# Altium PCB ASCII_LimeSDR-USB_1v4.PcbDoc (part 9 of 10)
Units mm, origin at the board's own origin, x right, y up, seen from the top; angles counter-clockwise.
Board outline 100 x 60 mm, 12 copper layers (Top, L2, L3, L4, L5, L6, L7, L8, L9, L10, L11, Bottom), stack 1.58 mm thick; 858 components, 627 nets, 4063 pads, 2099 vias.
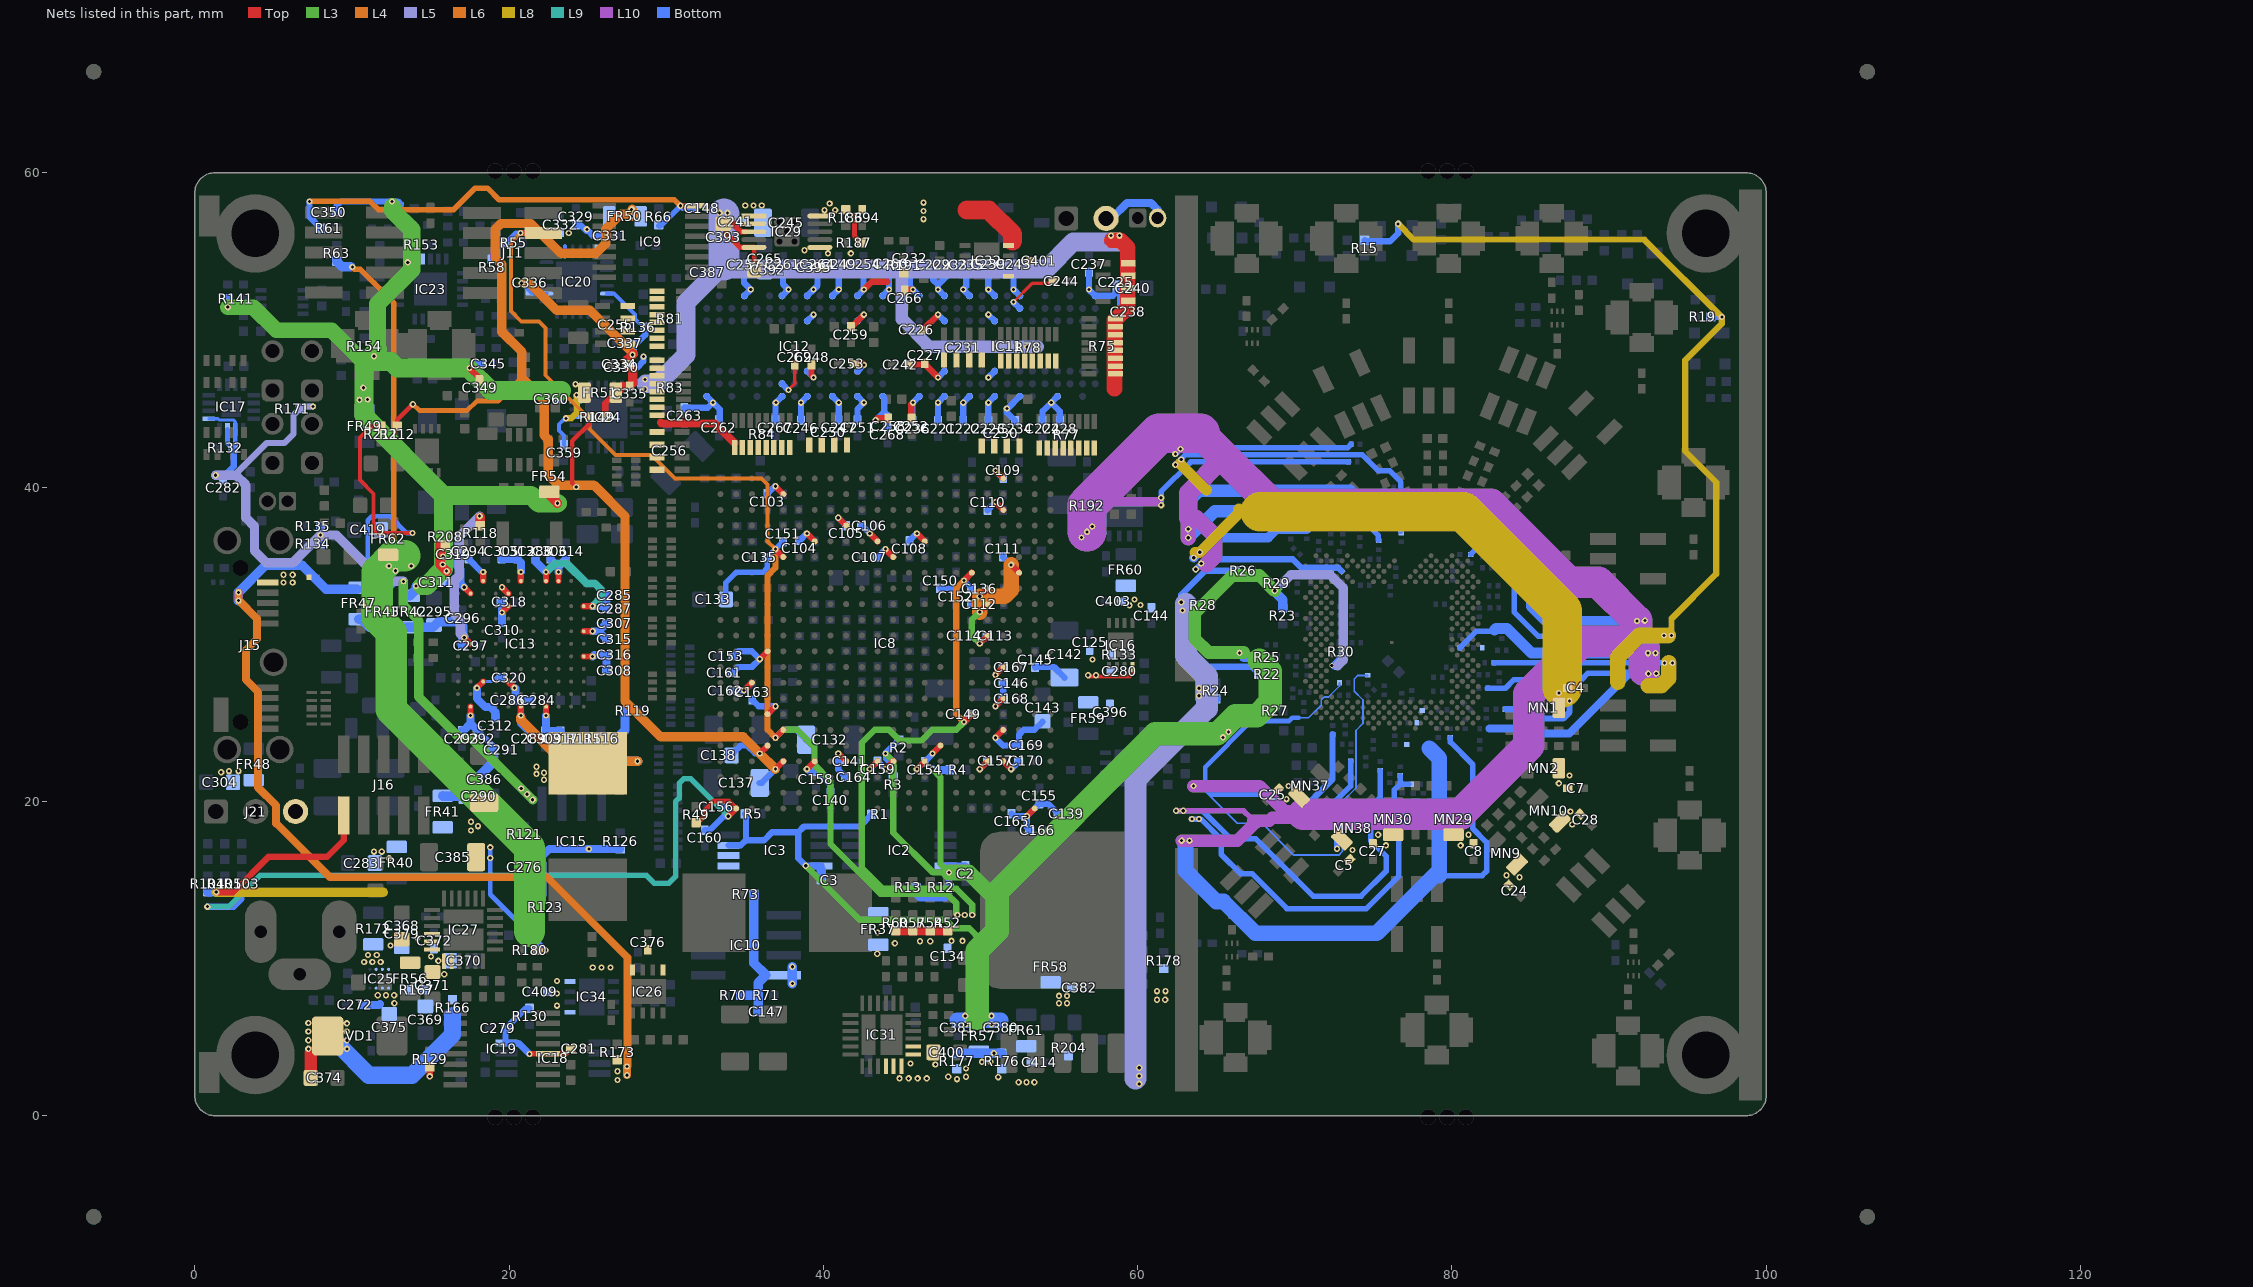
[diagram p17: the nets of this part, all layers, seen from the top]

## Via types
v1: diameter 0.4, hole 0.2, Top to Bottom, tented both sides, 1282 vias
v2: diameter 0.4, hole 0.2, Top to Bottom, tented top, 427 vias
v3: diameter 0.4, hole 0.2, Top to Bottom, 281 vias
v4: diameter 0.31, hole 0.2, Top to Bottom, tented top, 89 vias
v5: diameter 0.5, hole 0.2, Top to Bottom, tented both sides, 20 vias

## Nets (pads, with @x,y where several pads share a name; then routed paths per layer and width w, separated by ;. In a path a pad name is that pad's centre, name@x,y a point inside that pad or via, vN(x,y) a via of type N, cw(c..) or ccw(c..) an arc to the next point about the centre after c; other vN are vias at no path point) (continued)
VCC1P8_DDR2: C221.1 C222.1 C223.1 C224.1 C226.1 C227.1 C228.1 C229.1 C232.1 C233.1 C234.1 C235.1 C236.1 C237.1 C238.1 C239.1 C240.2 C241.2 C242.2 C243.1 C245.2 C246.1 C247.1 C248.1 C249.1 C251.1 C252.1 C253.1 C254.1 C257.1 C258.1 C259.1 C260.1 C261.1 C262.1 C263.1 C264.1 C265.2 C266.2 C267.2 C268.1 C387.2 IC11.A1 IC11.A9 IC11.C1 IC11.C3 IC11.C7 IC11.C9 IC11.E1 IC11.E9 IC11.G1 IC11.G3 IC11.G7 IC11.G9 IC11.J1 IC11.J9 IC11.M9 IC11.R1 IC12.A1 IC12.A9 IC12.C1 IC12.C3 IC12.C7 IC12.C9 IC12.E1 IC12.E9 IC12.G1 IC12.G3 IC12.G7 IC12.G9 IC12.J1 IC12.J9 IC12.M9 IC12.R1 IC29.1 IC29.2 R191.1 | length 70.1
  Top w0.4: C248.1@39.25,47.775 39.25,47.1 v1(39.375,46.975) ; C259.1@41.75,50.2 41.8,50.2 v1(42.575,50.975) ; C253.1@41.975,47.85 42.5,47.85 v1(42.575,47.775) ; v1(42.575,52.575) 43.075,53.075 44.075,53.075 ; v1(43.325,44.25) 43.45,44.375 C258.1@44.125,44.375 ; C266.2@45.175,52.525 45.225,52.575 v1(45.7,52.575) ; C242.2@45.4,47.8 46.475,47.8 v1(47.3,46.975) ; C252.1@45.6,44.375 45.6,45.275 v1(45.7,45.375) ; C226.1@46.4,50 46.4,50.075 v1(47.3,50.975)
  Bottom w0.4: C263.1@31.15,45.05 32.65,45.05 v1(32.975,45.375) ; IC12.R1@32.575,45.775 v1(32.975,45.375) ; C262.1@33.4,44.275 33.4,44.95 v1(32.975,45.375) ; C387.2@33.45,53.675 34.925,53.675 C257.1@34.95,53.65 ; IC12.M9@34.975,52.175 v1(35.375,52.575) 34.95,53 C257.1@34.95,53.65 ; C267.2@36.95,44.275 36.95,45.35 v1(36.975,45.375) IC12.J1@37.375,45.775 ; IC12.J9@37.375,52.175 v1(37.775,52.575) 37.425,52.925 C261.1@37.425,53.675 36.325,53.675 36.275,53.725 35.025,53.725 C257.1@34.95,53.65 ; C246.1@38.575,44.25 v1(38.575,45.375) IC12.G1@38.975,45.775 ; IC12.G3@38.975,47.375 v1(39.375,46.975) ; IC12.G7@38.975,50.575 v1(39.375,50.975) ; IC12.G9@38.975,52.175 v1(39.375,52.575) 39.625,52.825 C264.1@39.625,53.675 ; IC12.E1@40.575,45.775 v1(40.975,45.375) C247.1@40.975,44.275 ; IC12.E9@40.575,52.175 v1(40.975,52.575) C249.1@40.975,53.675 ; C251.1@42.175,44.275 42.175,44.975 v1(42.575,45.375) IC12.C1@42.175,45.775 ; IC12.C3@42.175,47.375 v1(42.575,47.775) ; IC12.C7@42.175,50.575 v1(42.575,50.975) ; IC12.C9@42.175,52.175 v1(42.575,52.575) 42.55,52.6 C254.1@42.55,53.675 ; v1(43.325,44.25) 43.875,44.8 ; IC12.A1@43.775,45.775 43.875,45.675 43.875,44.8 ; IC12.A9@43.775,52.175 v1(44.175,52.575) C260.1@44.175,53.7 ; C268.1@44.075,43.825 44.075,44.6 43.875,44.8 ; C232.1@45.5,54.05 45.5,52.775 v1(45.7,52.575) IC11.A1@46.1,52.175 ; C236.1@45.675,44.225 45.675,45.35 v1(45.7,45.375) IC11.A9@46.1,45.775 ; C229.1@47,53.65 47,53.175 47.3,52.875 ; C221.1@47.3,44.225 v1(47.3,45.375) IC11.C9@47.7,45.775 ; v1(47.3,46.975) IC11.C7@47.7,47.375 ; v1(47.3,50.975) IC11.C3@47.7,50.575 ; IC11.C1@47.7,52.175 v1(47.3,52.575) 47.3,52.875 ; C233.1@48.075,53.65 47.3,52.875 ; C222.1@48.9,44.225 v1(48.9,45.375) IC11.E9@49.3,45.775 ; C235.1@49.1,53.65 49.1,52.775 v1(48.9,52.575) IC11.E1@49.3,52.175 ; C223.1@50.5,44.225 v1(50.5,45.375) IC11.G9@50.9,45.775 ; v1(50.5,46.975) IC11.G7@50.9,47.375 ; v1(50.5,50.975) IC11.G3@50.9,50.575 ; C239.1@50.5,53.675 v1(50.5,52.575) IC11.G1@50.9,52.175 ; C243.1@52.1,53.675 v1(52.1,52.575) IC11.J1@52.5,52.175 ; C234.1@52.2,44.225 51.675,44.75 v1(51.675,45) 51.725,45 IC11.J9@52.5,45.775 ; C224.1@53.95,44.225 53.95,44.825 v1(54.5,45.375) ; IC11.M9@54.9,45.775 v1(54.5,45.375) ; C228.1@55.05,44.225 55.05,44.825 v1(54.5,45.375) ; C237.1@56.9,53.675 v1(56.9,52.575) IC11.R1@57.3,52.175 58.425,52.175 58.875,52.625 C238.1@58.875,51.15
  other v1: 35.025,57.925 35.55,57.925 36.075,57.925
VCC1P8_FX3: C283.2 C284.1 C285.1 C286.2 C287.2 C288.1 C289.2 FR40.2 IC13.E3 IC13.F1 IC13.H11 IC13.L9 R115.1 R116.1 R119.1 | length 28.9
  Top w0.4: IC13.E3@19.95,27.625 v2(20.35,27.225) ; v2(20.75,25.459) IC13.F1@20.75,26.025 ; IC13.H11@22.35,34.025 v2(22.35,34.591) ; IC13.L9@24.75,32.425 v2(25.316,32.425)
  L4 w0.6: v2@20.75,25.359 20.75,25.175 23.375,22.55 v1(28.175,22.55)
  L9 w0.5: v2@22.372,34.591 22.922,35.141 23.657,35.141 24.922,33.875 25.443,33.875 25.866,33.453 25.866,32.975 v2(25.316,32.425)
  Bottom w0.5: v2(20.35,27.225) 20.4,27.175 C286.2@20.4,26.425 C284.1@21.45,26.425 ; v2(20.75,25.459) 20.75,24.975 C289.2@21.25,24.475 ; C288.1@21.675,35.425 21.675,35.266 v2(22.35,34.591) ; v2(25.316,32.425) C287.2@26.025,32.425 ; C287.2@26.2,32.25 C285.1@26.2,33.125
  Bottom w0.6: R115.1@24.775,23.5 R116.1@25.85,23.5 26.35,23.5 ; R119.1@27.375,25.775 27.375,24.525 26.35,23.5 ; v1(28.175,22.55) 27.3,22.55 26.35,23.5
  other v1: 12.375,16.375 11.4,16.8 11.9,16.8
VCC1P8_LMS: C4.2 C5.2 C7.2 C8.2 C24.2 C25.2 C27.2 C28.2 FR3.2 FR6.2 FR7.2 FR12.2 FR19.2 FR21.1 FR23.1 FR32.2 MN1.2 MN2.2 MN9.2 MN10.2 MN29.2 MN30.2 MN37.2 MN38.2 R15.2 R19.2 R31.2 R33.2 R41.1 R178.1 | length 177.3
  L8 w0.4: v1(76.575,56.75) 77.575,55.75 92.25,55.75 v1(97.175,50.825) 97.175,50.4 94.85,48.075 94.85,42.275 96.825,40.3 96.825,34.475 93.975,31.625 v1(93.975,30.55)
  L8 w0.7: 62.687,41.488 64.375,39.8 ; 63.65,35.85 v1(63.95,35.85) 66.45,38.35 66.45,38.6
  L8 w1: 90.55,27.6 90.55,29.175 91.925,30.55 v1(93.5,30.55) 93.75,30.55 ; 92.5,27.35 93.3,27.35 93.8,27.85 93.8,28.825
  L8 w2.5: 67.8,38.425 80.725,38.425 87.025,32.125 87.025,27.225
  Bottom w0.35: v1(62.4,41.425) 63.025,42.05 73.825,42.05 74.304,42.05 75.309,41.045 76.029,41.045 76.751,40.323 FR19.2@76.751,37.194 ; v1(63.45,18.875) 64.031,18.875 65.321,17.585 65.321,16.622 66.562,15.381 67.294,15.381 69.5,13.175 74.559,13.175 76.631,15.247 76.631,17.541 76.325,17.847 76.325,20.725 76.685,21.085 FR7.2@76.689,21.085 ; v1(72.685,16.983) 72.685,20.109 73.551,20.975 R31.2@73.551,22.564 ; FR3.2@76.7,21.64 76.7,21.096 FR7.2@76.689,21.085 ; 77.24,21.089 77.236,21.085 FR7.2@76.689,21.085 ; FR21.1@82.654,28.806 v1(93.525,28.806) 94.019,28.806 v1(94.025,28.8) ; FR23.1@83.926,33.939 83.975,33.89 83.975,32.031 85.5,30.506 93.931,30.506 v1(93.975,30.55)
  Bottom w0.4: R15.2@74.445,55.712 74.52,55.637 76.062,55.637 76.575,56.15 v1(76.575,56.75) ; FR12.2@83.436,25.869 84.131,25.869 84.288,25.712 85.279,25.712 85.721,25.269 87.065,25.269 87.48,25.684 v1(87.48,26.397) 86.98,26.897 v1(86.805,26.897) ; R19.2@96.675,50.825 v1(97.175,50.825)
  Bottom w0.6: v1(63.572,35.503) 64.844,36.775 68.3,36.775 68.85,37.325 R41.1@70.75,37.325
  other v1: 61.225,7.375 61.75,7.375 61.225,7.925 61.775,7.925 84.3,15.171 83.469,15.295 73.666,16.907 75.806,17.199 80.555,17.199 75.306,17.874 81.055,17.874 87.658,18.529 63.9,18.875 87.534,19.36 69.477,20.141 69.6,20.972 86.805,21.148 87.48,21.648 62.775,41.75
VCC1P25_LMS: FR1.2 FR2.1 FR4.1 FR5.1 FR8.2 FR9.1 FR11.2 FR13.2 FR14.1 FR15.2 FR18.1 FR22.2 FR25.2 FR26.2 FR27.1 FR28.1 FR30.1 R35.1 R36.2 R38.1 R39.2 R40.1 R192.1 | length 337.4
  L10 w0.35: 61.272,39.075 v1(61.497,38.85) ; 61.272,39.1 v1(61.497,39.325) ; v1(62.45,19.4) 66.75,19.4 67.2,18.95
  L10 w0.6: 58.025,39.075 61.272,39.075
  L10 w0.8: v1(62.8,17.5) 66.35,17.5 67.5,18.65 ; v1(63.55,20.975) 67.75,20.975 69.35,19.375 69.75,19.375 ; 67.373,18.777 68.38,18.777 68.552,18.95 70.175,18.95
  L10 w1: v1(63.222,36.778) v1(63.222,37.325) 63.222,38.05 63.75,38.05 64.9,36.9 64.9,35.6 64.363,35.063 ; 65.463,41.862 65.463,41.962
  L10 w1.2: 63.222,38.05 63.222,39.622 65.463,41.862
  L10 w2: 64,43.425 65.463,41.962 68.525,38.9 82.475,38.9 87.425,33.95 89.306,33.95 v1(91.775,31.481) 91.775,30.2 ; 70.525,19.174 80.517,19.174 84.9,23.558 84.9,26.831 88.269,30.2 91.775,30.2 ; 92.225,28.35 92.225,29.75 91.775,30.2
  L10 w2.5: v1(56.775,37.15) 56.775,38.825 61.225,43.275 ; 61.375,43.425 64,43.425
  Bottom w0.11: 64.425,20.525 66.343,18.607 67.918,18.607 69.945,16.58 72.802,16.58 73.04,16.818 73.04,19.997 73.896,20.853 73.896,24.514 74.342,24.96 74.342,26.01 74.342,26.45 73.776,27.016 73.776,27.785 73.994,28.003 74.631,28.003 R35.1@74.651,28.024 ; 70.251,25.319 70.876,25.319 71.684,26.127 71.684,26.45 71.877,26.643 72.145,26.643 72.846,27.345 FR4.1@72.846,27.544
  Bottom w0.3: 64.3,20.975 64.3,22.186 67.232,25.119 69.651,25.119 69.851,25.319 70.251,25.319
  Bottom w0.35: v1(61.497,38.85) v1(61.497,39.325) 61.497,39.715 63.381,41.6 FR25.2@73.42,41.6 ; v1@62.4,42.075 62.825,42.5 73.365,42.5 FR5.1@73.59,42.725 ; v1@62.425,19.4 v1(62.45,19.4) v1(62.9,19.4) 64.143,19.4 65.915,17.627 67.512,17.627 71.164,13.975 74.227,13.975 75.805,15.553 75.805,16.511 74.831,17.485 74.831,19.656 75.426,20.251 FR13.2@75.426,21.939 ; R38.1@75.276,37.644 75.251,37.644 74.896,37.999 74.896,38.625 73.796,39.725 73.5,39.725 73.5,39.565 74.446,38.619 74.446,37.795 75.326,36.915 FR22.2@75.326,36.619 ; 79.188,15.274 81.927,15.274 82.205,15.553 82.205,17.396 81.325,18.276 81.325,22.345 79.901,23.769 FR1.2@79.901,24.064 ; FR18.1@80.505,29.775 81.544,30.814 82.689,30.814 ; FR28.1@81.191,35.714 81.587,36.11 ; R36.2@82.251,27.194 83.394,27.194 83.93,27.73 88.23,27.73 88.637,28.137 90.973,28.137 91.287,28.137
  Bottom w0.4: v1(63.693,34.775) v1(64.05,35.132) 64.318,35.4 69.87,35.4 70.406,34.864 71.765,34.864 71.77,34.869 71.772,34.869 71.777,34.864 72.325,34.864 72.33,34.869 72.776,34.869 FR26.2@72.964,34.681 ; 69.55,19.125 70.125,19.125 72.401,21.401 FR2.1@72.401,24.289
  Bottom w0.5: R39.2@82.401,24.629 84.996,24.629 85.306,24.319 87.469,24.319 91.287,28.137 ; 90.973,28.137 v1(93,28.137)
  Bottom w0.6: v1(63.55,20.975) 64.3,20.975 64.7,20.575 68.1,20.575 69.55,19.125 ; 81.752,36.275 83.612,36.275 85.005,34.882 85.005,32.381 85.904,31.481 v1(91.775,31.481) v1@92.325,31.481
  Bottom w0.7: 82.708,30.908 82.794,30.994 83.492,30.994 85.055,29.431 v1(92.475,29.431) v1@92.9,29.431
  Bottom w0.8: 72.726,38.475 64.918,38.475 v1(63.222,36.778) v1(63.222,37.325) 63.222,39.072 63.925,39.775 73.5,39.775
  Bottom w1: 63.05,17.375 63.05,15.584 65.003,13.631 65.469,13.631 67.5,11.6 75.211,11.6 79.037,15.426 ; 78.556,23.382 79.188,22.75 79.188,15.274
  other v1: 63.3,17.5 92.5,28.125 92.95,29.431 92.275,31.5 56.421,36.796 57.111,37.486 62.4,42.1 62.725,42.425
VCC1P25_LMS_DIG: R22.2 R24.2 R26.2 R28.2 R204.1 | length 45.8
  L5 w1.4: 59.85,2.375 59.85,21.375 64.4,25.925 64.4,27.95 63.075,29.275 63.075,32.575
  Bottom w0.4: 62.95,31.65 62.95,32.1 63.325,32.475 ; R28.2@63.675,32.475 63.325,32.475 ; 63.95,27.875 64.65,28.575 67.25,28.575 R22.2@67.75,28.075 ; R26.2@66.225,34.675 64.3,34.675 62.775,33.15 v1(62.775,32.675) 62.975,32.475 63.325,32.475
  Bottom w0.6: 63.95,27.875 63.95,26.525 R24.2@64.975,26.525
  other v1: 60.1,2.025 60.1,2.525 60.1,3.05 63.9,26.725 63.9,27.2 62.85,32.15
VCC2P5: FR37.1 FR47.2 R173.1 R177.2 R211.1 | length 77.7
  Top w0.25: R211.1@11.85,43.875 11.225,43.875 10.5,43.15 10.5,40.45 11.375,39.575 11.375,37.275 11.575,37.075 v1(13.85,37.075)
  L6 w0.5: v1(2.775,33.3) 2.775,32.815 3.95,31.64 3.95,30.325 3.25,29.625 3.25,27.75 4.025,26.975 4.025,20.886 5.175,19.736 5.175,18.6 8.6,15.175 22.425,15.175 27.525,10.075 v1@27.525,3.15 ; v1(27.5,2.575) v1(27.5,3.125)
  Bottom w0.2: FR47.2@10.325,33.5 FR47.2@10.575,33.5
  Bottom w0.3: FR47.2@10.575,33.5 11,33.925 11,37.875 11.275,38.15 12.425,38.15 13.5,37.075 v1(13.85,37.075)
  Bottom w0.6: v1(2.775,32.775) v1(2.775,33.3) 4.5,35.025 6.825,35.025 8.35,33.5 FR47.2@10.325,33.5
  other v1: 26.9,2.275 48.5,2.325 47.95,2.475 49.075,2.475 26.9,2.825 49.075,3 43.425,10.3 44.55,10.975 43.45,11.65
VCC2P5A_FPGA: C132.2 C133.2 C134.2 C135.2 C136.1 C149.1 C150.1 C151.1 C152.1 FR37.2 IC8.F18 IC8.G6 IC8.T6 IC8.U18 J11.4 R52.1 R54.1 R55.2 R57.1 R58.2 R60.1 | length 120.6
  Top w0.4: v1(20.725,56.175) J11.4@22.175,56.175 ; v2(36.95,24.05) IC8.F18@37.45,24.55 ; v2(36.95,36.05) IC8.U18@37.45,35.55 ; v2(48.95,25.05) IC8.G6@49.45,25.55 ; v2(48.95,34.05) IC8.T6@49.45,34.55
  Top w0.6: R60.1@44.6,11.775 R54.1@46.8,11.775 R52.1@47.925,11.775
  L3 w0.4: v2(36.95,24.05) 37.45,24.55 38.325,24.55 39.438,23.437 39.438,22.313 40.45,21.3 40.45,17.3 43.625,14.125 47.857,14.125 48.45,13.532 48.45,12.85 v1(48.525,12.775) ; v2(48.95,25.05) 48.45,24.55 46.925,24.55 46.25,23.875 44.85,23.875 44.175,24.55 43.275,24.55 42.45,23.725 42.45,15.775 43.775,14.45 48.45,14.45 49.475,13.425 v1(49.475,12.775)
  L6 w0.25: v1(20.725,56.175) 20.125,55.575 20.125,51.2 20.775,50.55 21.907,50.55 22.325,50.132 22.325,47.118 24.093,45.35 24.1,45.35 25.125,44.325 25.125,43.693 26.768,42.05 29.05,42.05 30.55,40.55 36.076,40.55 36.45,40.176 36.45,36.55 v2(36.95,36.05)
  L6 w0.4: v2(36.95,24.05) 36.45,24.55 36.45,34.375 36.95,34.875 v2(36.95,36.05) ; v2(48.95,25.05) 48.45,25.55 48.45,33.55 v2(48.95,34.05)
  Bottom w0.3: R58.2@18.925,54.5 18.925,54.85 19.625,55.55 R55.2@19.75,55.55 ; R55.2@19.8,55.55 20.425,56.175 v1(20.725,56.175)
  Bottom w0.35: C133.2@33.8,32.875 33.8,33.925 34.45,34.575 36.147,34.575 36.425,34.853 C135.2@36.425,35.525 v2(36.95,36.05) C151.1@37.425,36.525 C151.1@37.45,36.525 ; C150.1@47.425,33.55 48.45,33.55 v2(48.95,34.05) 49.4,33.6 C136.1@49.4,33.55
  Bottom w0.4: v2(36.95,24.05) 37.45,24.55 38.275,24.55 C132.2@38.9,23.925 ; v2(48.95,25.05) C149.1@49.4,25.5
  other v1: 46.15,11.1 46.8,11.1 48.15,11.125 48.85,11.125 49,12.775
VCC3P3: C125.1 C142.2 C143.2 C144.2 C145.2 C146.1 C147.1 C148.1 C167.1 C168.1 C169.1 C170.1 C276.1 C279.1 C280.1 C281.1 C282.1 C376.2 C382.2 C385.2 C386.2 C394.2 C396.2 C401.2 C403.2 C409.2 C414.2 FR41.1 FR43.2 FR58.1 FR59.1 FR60.1 FR61.1 IC8.D4 IC8.F4 IC8.H4 IC8.K4 IC9.16 IC10.8 IC15.8 IC16.8 IC17.1 IC17.14 IC17.15 IC18.8 IC19.12 IC26.5 IC26.8 IC29.10 IC32.5 IC32.8 IC34.5 IC34.8 J13.2 J14.2 J16.1 L1.2 R61.1 R66.1 R70.1 R71.1 R73.1 R104.1 R105.1 R121.1 R123.1 R126.1 R129.1 R130.2 R132.1 R133.2 R134.1 R135.1 R171.1 R176.2 R180.1 R186.1 R187.1 | length 171.6
  Top w0.25: v1(56.85,28.025) 56.925,27.95 59.475,27.95 59.675,28.15 IC16.8@59.675,28.55
  Top w0.3: 41.975,57.325 41.975,56 R187.1@42.425,55.55
  Top w0.309: R180.1@21.8,10.525 v1@22.35,10.525
  Top w0.35: v1(21.3,3.925) IC19.12@22.475,3.925 23.6,3.925 C281.1@23.925,4.25 ; v1(30.9,57.9) IC9.16@31.95,57.9
  Top w0.4: v1(1.362,14.225) 2.437,14.225 4.687,16.475 8.425,16.475 9.475,17.525 J16.1@9.475,19.1 ; v1(14.95,2.5) R129.1@14.95,3.1 ; v2(50.95,24.05) IC8.F4@51.45,24.55 ; v2(50.95,26.05) IC8.H4@51.45,26.55 ; v2(50.95,28.05) IC8.K4@51.45,28.55 ; IC8.D4@51.45,22.55 v2(51.95,22.05)
  Top w1.2: 49.15,57.625 50.523,57.625 52.038,56.11 52.038,55.65
  L3 w0.6: v1@13.275,33.925 13.275,32.475 14.25,31.5 14.25,26.65 16.925,23.975 17.625,23.975 v1(21.5,20.1)
  L4 w0.35: v1(7.3,58.175) 11.15,58.175 11.675,57.65 16.472,57.65 17.847,59.025 18.625,59.025 19.375,58.275 30.525,58.275 v1(30.9,57.9)
  L5 w0.4: 2.625,40.75 2.625,40.864 4.561,42.8 5.7,42.8 6.275,43.375 6.275,44.575 6.825,45.125 v1(7.525,45.125)
  L5 w0.6: v1(1.325,40.75) 2.625,40.75 3.25,40.125 3.25,38.05 3.8,37.5 3.8,35.95 4.575,35.175 6.225,35.175 v1(8,36.95) 9,36.95 11.95,34 v1(13.275,34)
  L8 w0.6: v1(1.362,14.225) 12,14.225
  Bottom w0.2: IC17.1@0.9,44.35 1.475,44.35 1.55,44.275 2.45,44.275 2.575,44.15 IC17.14@2.575,43.675 ; R132.1@2.35,42.5 R132.1@2.575,42.725
  Bottom w0.3: IC17.15@2.075,43.675 2.075,42.775 R132.1@2.35,42.5 ; R132.1@2.575,42.725 IC17.14@2.575,43.675
  Bottom w0.309: v1(18.8,17.075) 18.8,14.075 v1@22.35,10.525
  Bottom w0.35: R66.1@29.525,56.625 29.625,56.625 v1(30.9,57.9) 31.05,57.75 C148.1@31.75,57.75
  Bottom w0.4: C282.1@1.85,40.7 2.475,41.325 2.475,42.375 R132.1@2.35,42.5 ; R171.1@6.725,45.125 v1(7.525,45.125) ; v1(7.3,58.175) 7.3,57.2 R61.1@8.025,56.475 ; R134.1@8,36.4 v1(8,36.95) R135.1@8,37.5 ; v1(21.3,3.925) 20.6,4.625 IC18.8@19.85,4.625 19.775,4.7 C279.1@19.775,5.55 21.05,6.825 R130.2@21.3,6.825 ; v2(50.95,24.05) 51.45,23.55 52.45,23.55 52.45,24.257 52.743,24.55 53.425,24.55 C143.2@53.95,25.075 ; v2(50.95,26.05) C168.1@51.425,26.525 ; v2(50.95,28.05) 51.425,28.525 C167.1@51.45,28.525 ; 51.45,26.775 C146.1@51.45,27.525 ; v2(51.95,22.05) 52.425,22.525 C170.1@52.425,22.575 ; C145.2@53.475,28.525 53.475,28.55 54.675,28.55 C142.2@55.35,27.875
  Bottom w0.5: C276.1@20.975,16.3 20.975,16.45 21.4,16.875 ; R121.1@20.975,17.4 20.975,17.3 21.4,16.875 ; R123.1@21.8,13.275 22.095,13.57 IC15.8@22.095,15.05 22.095,16.505 ; R126.1@27.075,16.975 22.565,16.975 22.095,16.505 ; J13.2@57.995,57.1 58.35,57.1 59.325,58.075 60.85,58.075 61.27,57.655 J14.2@61.27,57.125 ; 21.4,16.875 21.725,16.875 22.095,16.505
  Bottom w0.6: R104.1@0.825,14.25 R105.1@1.9,14.25 ; v1(1.325,40.75) 1.9,40.75 ; FR43.2@11.95,33.075 11.95,33.3 12.65,34 v1(13.275,34) ; R70.1@34.75,7.65 R71.1@35.85,7.65 ; R73.1@35.575,14.1 35.575,9.715 36.345,8.945 35.85,8.45 R71.1@35.85,7.65 ; C147.1@35.85,6.6 R71.1@35.85,7.65 ; v1(38.025,8.4) v1(38.025,9.475)
  other v1: 52.425,2.125 52.925,2.125 53.425,2.125 51.125,2.45 23.05,7 55,7.15 55.5,7.15 55,7.625 55.5,7.625 23.05,7.775 23.05,8.575 25.325,9.425 25.875,9.425 26.45,9.425 22.3,10.525 18.8,16.4 25.075,16.975 17.575,18.15 18.025,18.425 17.575,18.7 21.15,20.45 20.775,20.825 22.225,21.375 21.75,21.75 22.225,21.825 21.75,22.2 57.35,28.025 57.125,29.025 59.475,32.475 60.175,32.5 59.8,32.85 46.375,57.05 46.375,57.575 40.075,57.625 40.75,57.625 40.4,58.05 46.375,58.1
VCC3P3_CLK: C345.2 C349.1 C350.1 C359.1 C360.1 FR42.2 FR49.2 FR51.1 FR54.1 FR55.1 IC23.16 IC23.17 IC24.18 IC24.20 R141.1 R153.2 R154.2 R208.1 | length 75.5
  Top w0.4: v1(17.475,47.575) 18.125,46.925 C349.1@18.125,46.825
  Top w0.6: 15.625,36.325 15.625,35.05 v1(16.025,34.65) ; FR54.1@22.55,39.7 22.55,39.5 v1(23.075,38.975)
  L3 w1: v1(2.1,51.45) 3.725,51.45 5.2,49.975 8.7,49.975 10.775,47.9
  L3 w1.1: 11.625,48.75 11.625,51.65 13.8,53.825 13.8,56.375 12.575,57.6 12.575,57.85
  L3 w1.2: 11.625,48.75 10.875,48 ; 14.475,33.725 14.761,33.725 15.825,34.789 15.825,39.475 ; v1(23.075,38.975) 21.9,38.975 21.4,39.475 15.825,39.475 ; 23.325,46.15 18.823,46.15 17.398,47.575 12.9,47.575 12.475,48 10.875,48 ; 10.875,48 10.775,47.9 10.775,44.525 15.825,39.475
  L8 w0.4: v1(23.625,44.375) 23.95,44.375 24.3,44.725 v1(24.3,45.85)
  Bottom w0.25: C359.1@23.5,42.7 23.5,43.275 23.175,43.6 23.175,44.001 23.549,44.375 v1(23.625,44.375) 23.7,44.45 IC24.18@24.25,44.45
  Bottom w0.4: C350.1@9.025,57.5 9.025,57.9 9.3,58.175 v1(12.55,58.175) 12.93,58.175 FR55.1@13.1,58.005 ; R154.2@10.775,48.475 10.925,48.325 v1(11.4,48.325)
  Bottom w0.5: v1(2.1,51.45) R141.1@2.1,52.025 ; v1(17.475,47.575) 17.75,47.85 C345.2@18.175,47.85
  Bottom w0.6: FR42.2@13.675,33.075 14.075,33.475 v1(14.075,33.7)
  other v1: 15.775,35.075 15.8,35.575 10.475,45.55 11,45.575 10.725,46.325 24.225,46.55 13.55,54.3
VCC3P3_FX3: C290.2 C291.1 C292.2 C293.1 C294.2 FR41.2 IC13.B1 IC13.C11 IC13.E10 | length 11.6
  Top w0.4: v2(17.55,25.459) IC13.B1@17.55,26.025 ; IC13.C11@18.35,34.025 v2(18.35,34.591) ; v2(19.55,33.625) IC13.E10@19.95,33.225
  Bottom w0.4: C294.2@17.425,35.425 18.259,34.591 v2(18.35,34.591) ; C292.2@18,24.5 19,23.5 C291.1@19,23.275
  Bottom w0.5: C293.1@17,24.5 17.1,24.5 17.55,24.95 ; v2(17.55,25.459) 17.55,24.95 ; C292.2@18,24.5 17.55,24.95
  Bottom w0.6: FR41.2@15.775,20.35 15.8,20.325 C290.2@17.225,20.325 17.225,20.725 19,22.5 C291.1@19,23.275
VCC3P3_LMK: C334.2 C335.2 C336.2 C337.2 FR51.2 IC20.8 IC20.23 R136.2 R149.1 | length 21.7
  Top w0.4: R149.1@26.125,44.45 26.125,45.338 FR51.2@26.8,46.013
  Top w0.6: FR51.2@26.8,46.013 27.187,46.4 C335.2@27.65,46.4 ; v1@27.9,48.475 27.525,48.1 C334.2@27.525,47.825 27.875,47.475 27.875,46.625 C335.2@27.675,46.425 ; C335.2@27.65,46.4 C335.2@27.675,46.425 ; C335.2@27.65,46.4 27.675,46.4 C335.2@27.675,46.425
  L6 w0.6: v1@20.9,52.975 21.3,52.975 23.025,51.25 25.149,51.25 27.9,48.499 v1@27.9,48.475
  Bottom w0.25: v1(20.8,52.975) 21.462,52.313 IC20.8@22.375,52.313 ; IC20.23@26.225,52.313 26.687,52.313 28.025,50.975 28.025,50.708 28.675,50.058 R136.2@28.675,50.025
  Bottom w0.4: C337.2@27.85,49.15 28.125,49.15 28.675,49.7 R136.2@28.675,50.025
  Bottom w0.6: v1@27.85,48.475 C337.2@27.85,49.1
  other v1: 27.85,48.425
VCC5P0_USB: C272.1 C375.2 FR38.1 IC25.A1 IC25.B1 IC25.C1 J15.1 R167.2 | length 1.1
  Bottom w0.5: C272.1@10.675,7.05 11.725,7.05 11.775,7.1
  other v1: 12.7,7.15 11.638,7.663 12.163,7.663 12.688,7.663 5.65,33.925 6.225,33.925 5.65,34.425 6.225,34.425
VCC_CFX3: C295.2 C296.1 C297.2 FR42.1 FR43.1 FR47.1 IC13.B6 R118.2 | length 18.1
  Top w0.4: v2(17.15,30.425) IC13.B6@17.55,30.025
  Top w0.6: R118.2@18.175,37.55 v1@18.175,38.094
  L5 w0.6: v2(17.15,30.425) 16.9,30.675 16.9,31.575 16.5,31.975 16.5,34.05 16.825,34.375 16.825,36.85 v1(18.125,38.15)
  Bottom w0.6: FR47.1@10.425,31.6 10.59,31.6 11.115,31.075 FR43.1@11.95,31.075 FR42.1@13.675,31.075 15.15,31.075 15.5,31.425 16.775,31.425 C296.1@17.05,31.15 C297.2@17.05,29.9
VCC_EXT: C374.2 IC25.A4 IC25.B4 IC25.C4 R166.2 R172.1 VD1.K | length 12
  Top w0.8: C374.2@7.375,2.4 7.375,4
  Bottom w1.1: 9.125,4.525 11.075,2.575 13.823,2.575 16.4,5.152 R166.2@16.4,6.375
  other v1: 7.225,4.25 9.675,4.25 7.225,4.8 9.675,4.8 7.225,5.35 9.675,5.35 9.675,5.875 7.225,5.9 10.775,9.775 11.3,9.775 11.825,9.775 11.025,10.225 11.575,10.225
VCC_INT: C368.2 C369.2 C370.2 C371.2 C372.1 C379.2 C400.2 C419.2 FR56.1 FR62.1 IC27.16 IC27.17 IC27.18 IC27.19 IC27.20 IC31.16 IC31.17 IC31.18 IC31.19 IC31.20 J21.3 R63.1 R166.1 R167.1 | length 50.6
  L3 w2: 13.375,35.625 12.625,35.625 11.6,34.6 11.6,31.675 12.5,30.775 12.5,25.85 21.3,17.05 21.3,11.725
  L4 w0.35: v1(10.025,54) 10.15,53.875 10.525,53.875 12.675,51.725 12.675,35.3 v1(12.35,34.975)